# Altium PCB Copy of ToucanEyePCB.PcbDoc (part 1 of 3)
Units mil, origin at the board's own origin, x right, y up, seen from the top; angles counter-clockwise.
Board outline 2559.06 x 1377.95 mil, 6 copper layers (L1_Top Layer, L2_GND, L3_Signa1, L4_PWR/Signal2, L5_GND, L6_Bottom Layer), stack 35.685 mil thick; 192 components, 185 nets, 792 pads, 218 vias.
Unrouted connection lines stored in the file: 453.
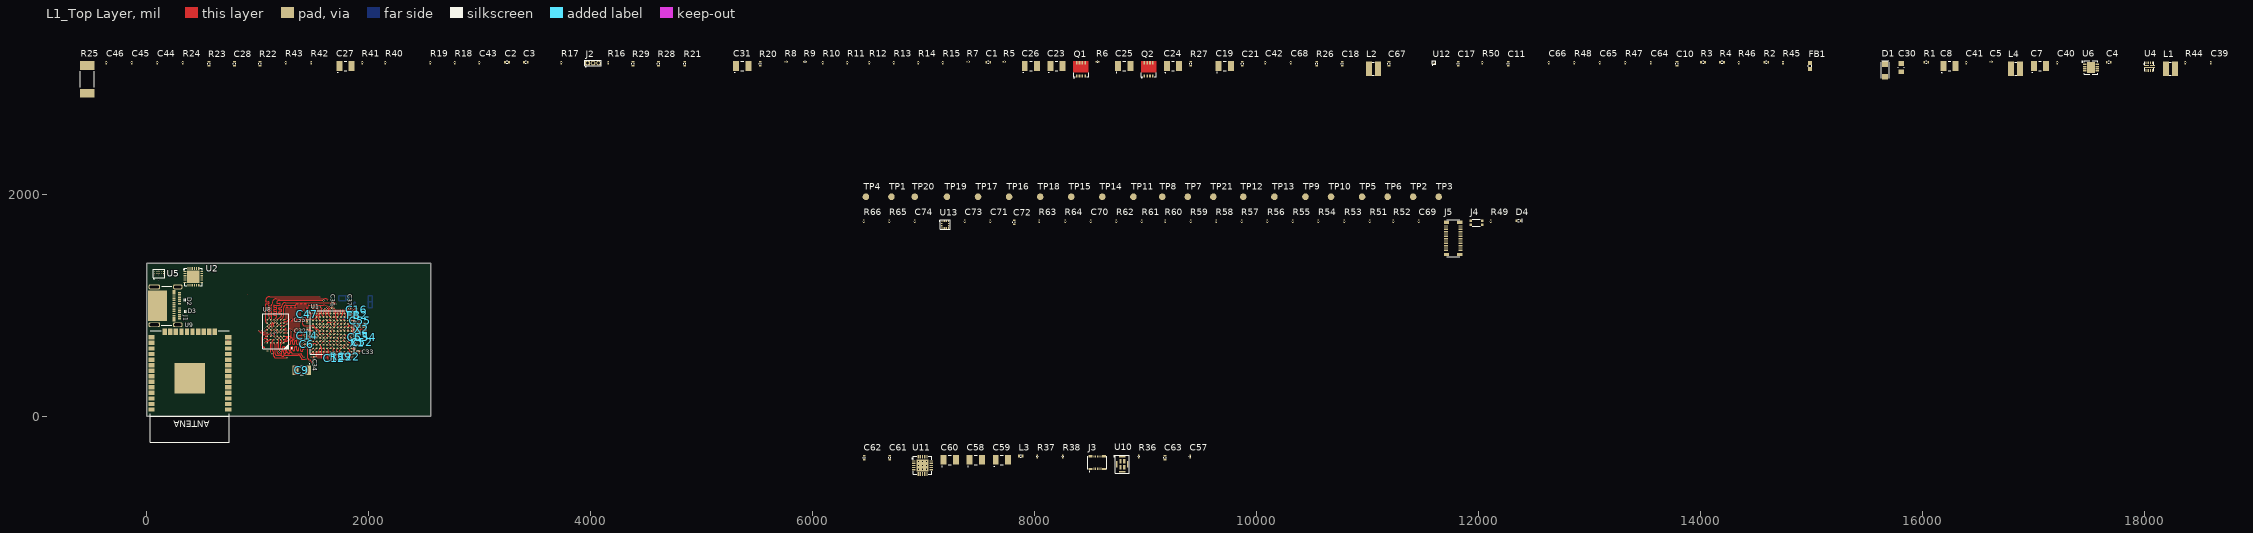
[diagram p0: L1_Top Layer view]
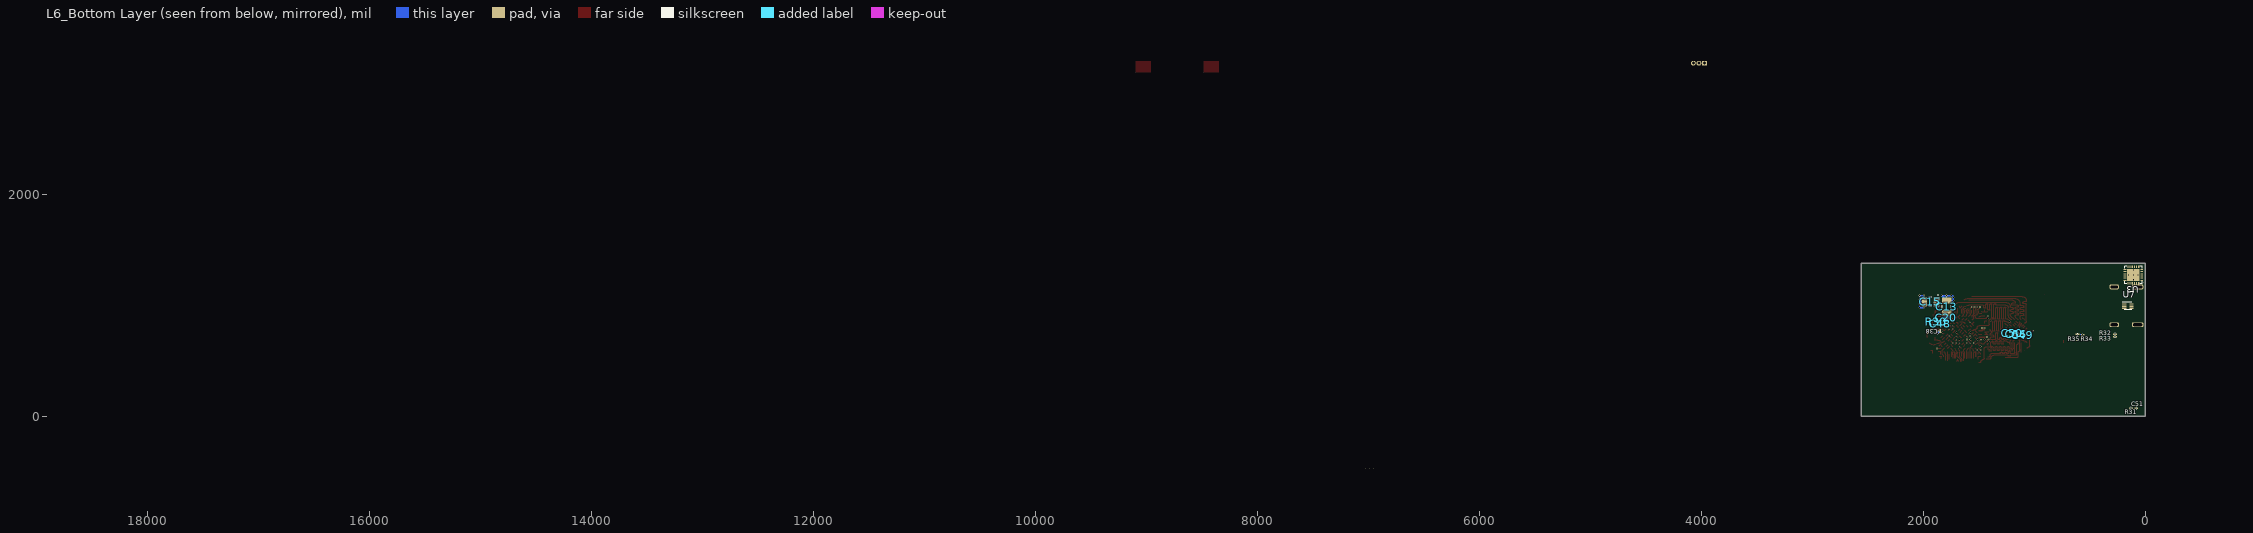
[diagram p1: L6_Bottom Layer view, seen from below]
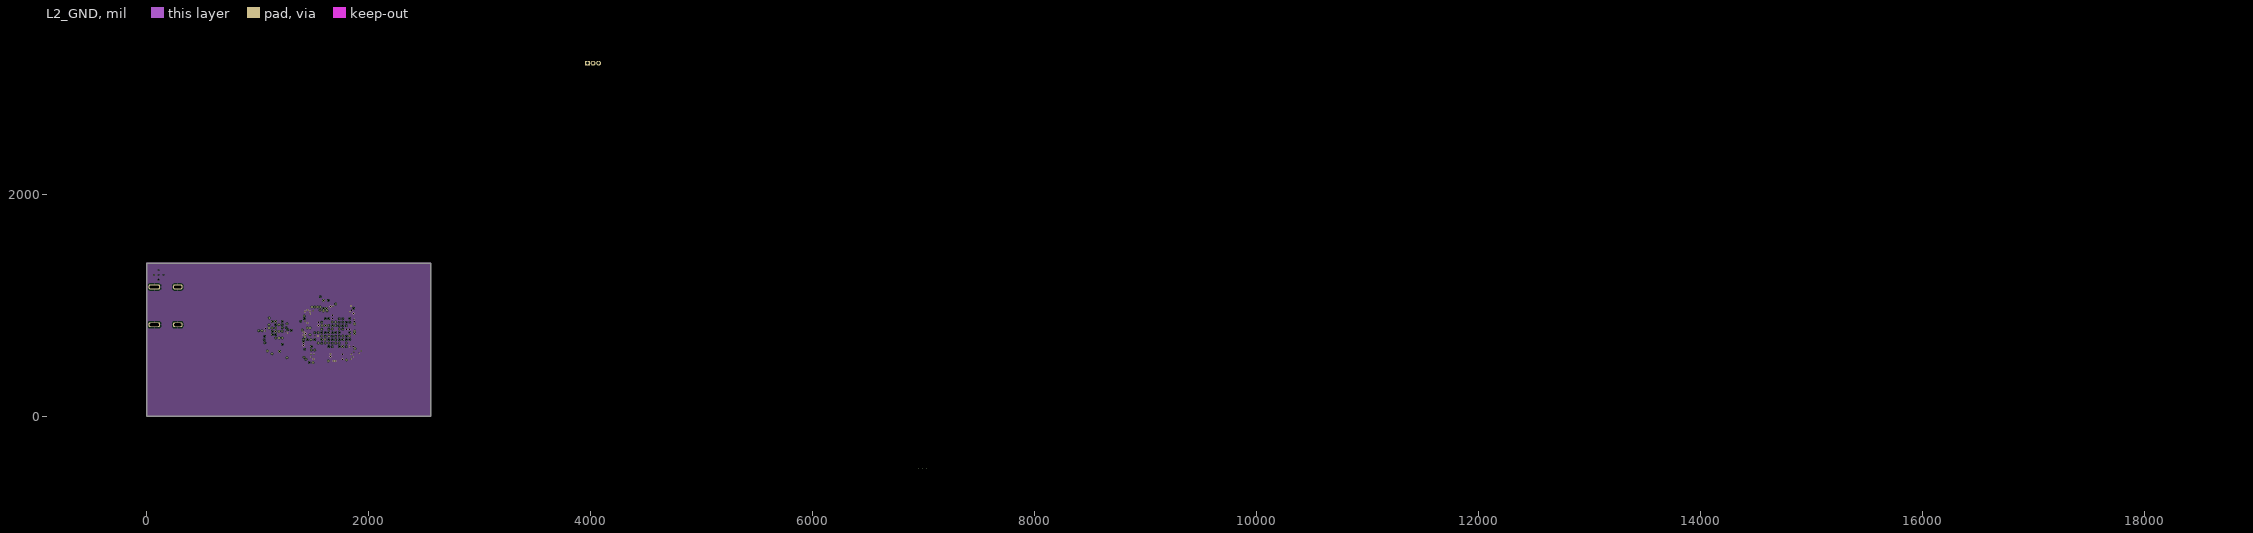
[diagram p2: L2_GND]
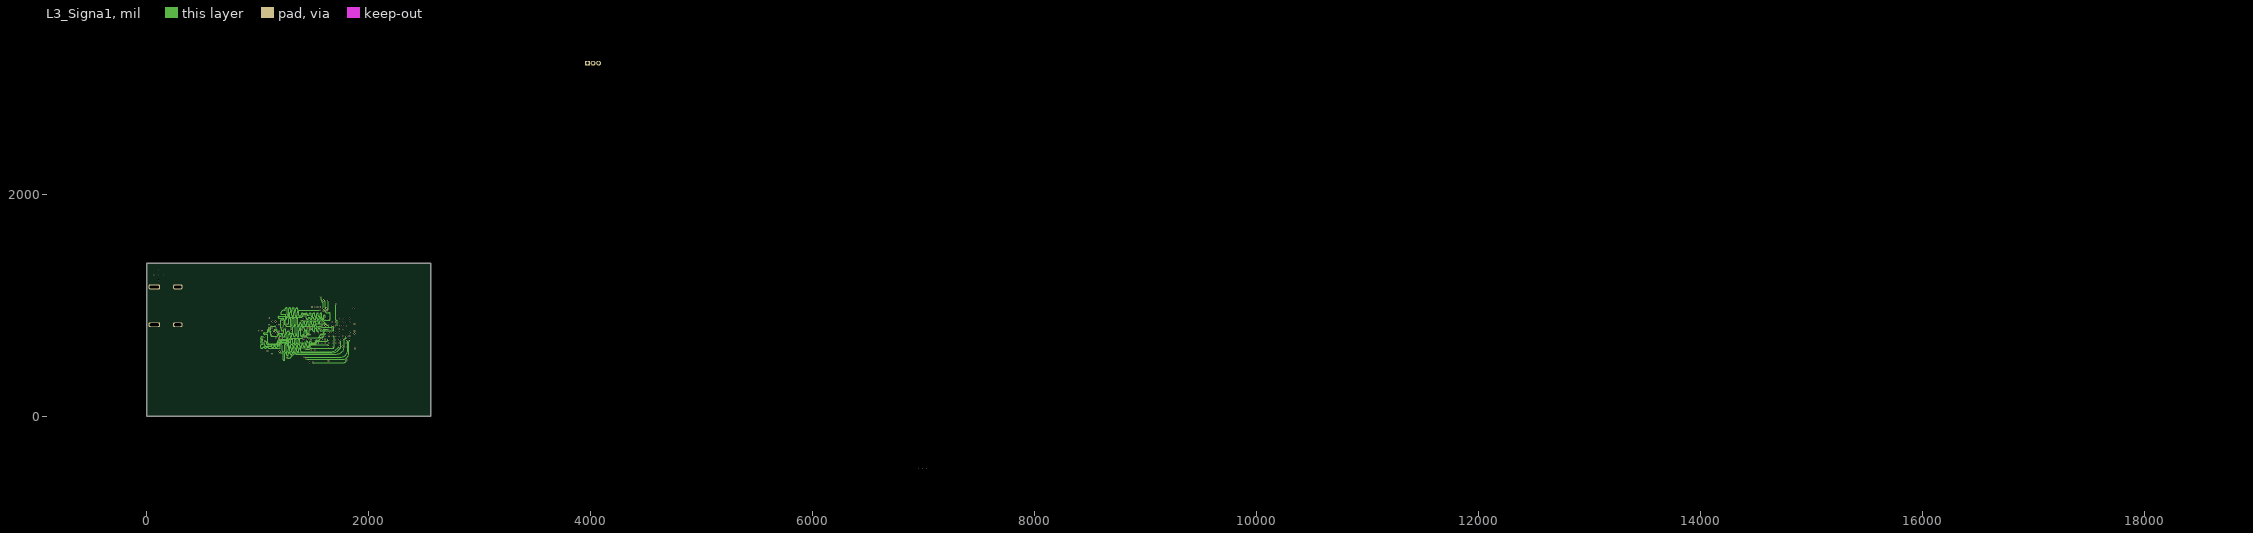
[diagram p3: L3_Signa1]
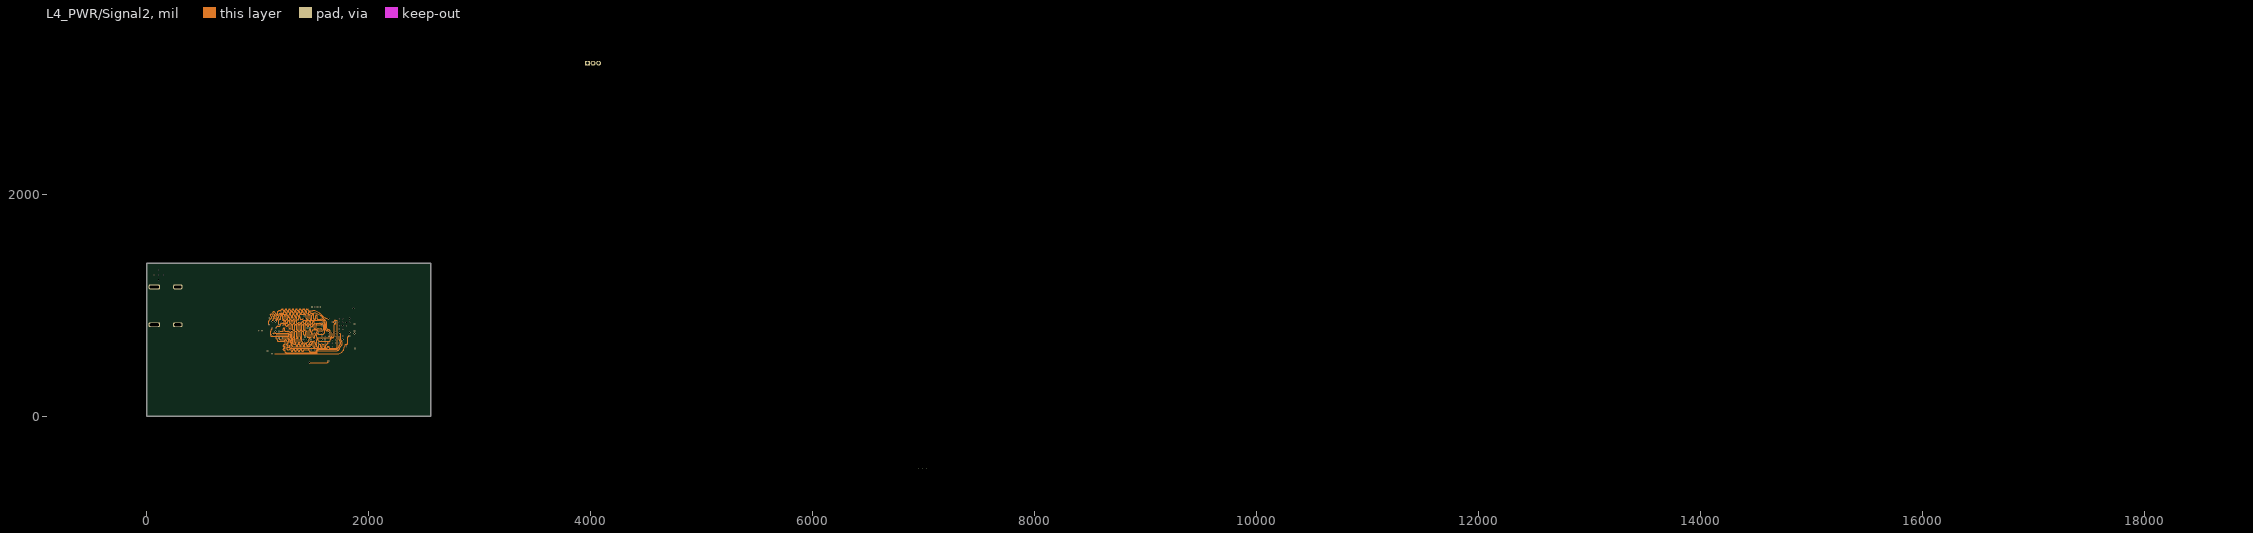
[diagram p4: L4_PWR/Signal2]
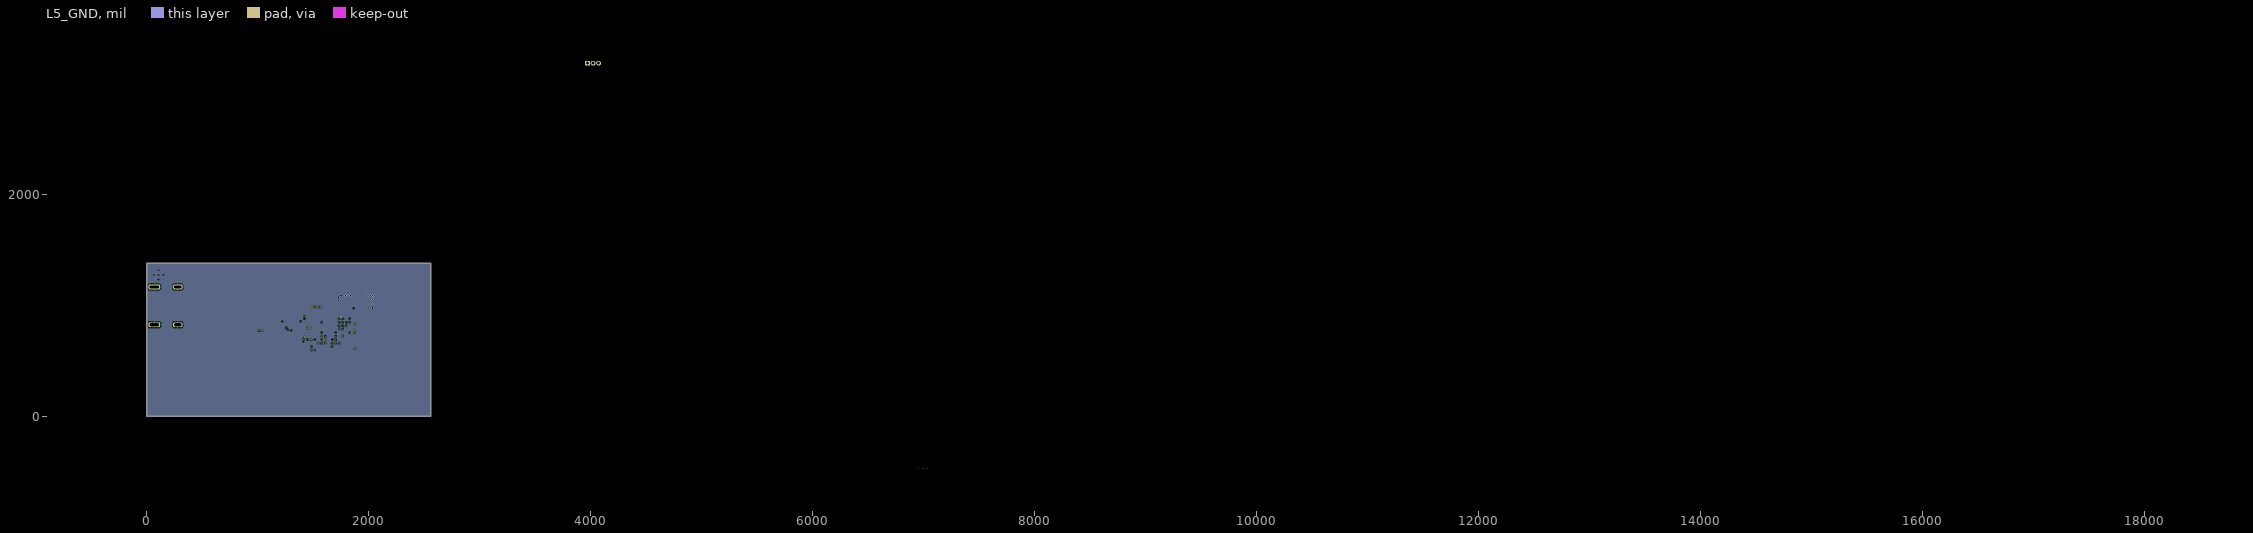
[diagram p5: L5_GND]

## Layer stack, top to bottom
Top Solder: solder mask 0.4, Solder Resist, Dk 3.5
L1_Top Layer: signal copper 0.4724
Dielectric 1: core 5.8425, FR-4, Dk 4.2
L2_GND: signal copper 0.4724
Dielectric 3: prepreg 7.7559, Dk 4.2
L3_Signa1: signal copper 0.4724
Dielectric 4: core 5.6535, Dk 4.2
L4_PWR/Signal2: signal copper 0.4724
Dielectric 5: prepreg 7.7559, Dk 4.2
L5_GND: signal copper 0.4724
Dielectric 2: core 5.8425, Dk 4.2
L6_Bottom Layer: signal copper 0.4724
Bottom Solder: solder mask 0.4, Solder Resist, Dk 3.5

## Board outline
0,0 0,1377.95 2559.06,1377.95 2559.06,0

## Design rules (kind name [scope] priority, off if disabled: settings)
Clearance ClearanceAll [All] p1: gap=3 ignorepadtopadclearanceinfootprint=FALSE
DiffPairsRouting [All] p1: maxlimit=10 minlimit=4 mostfreqgap=10 toplayer_prefgap=4 toplayer_minwidth=3 toplayer_maxwidth=15 toplayer_prefwidth=15 midlayer1_mingap=10 midlayer1_minwidth=15 midlayer1_maxwidth=15 midlayer1_prefwidth=15 midlayer2_mingap=10 midlayer2_minwidth=15 midlayer2_maxwidth=15 midlayer2_prefwidth=15 midlayer3_mingap=10 midlayer3_minwidth=15 midlayer3_maxwidth=15 midlayer3_prefwidth=15 midlayer4_mingap=10 midlayer4_minwidth=15 midlayer4_maxwidth=15 midlayer4_prefwidth=15 bottomlayer_prefgap=4 bottomlayer_minwidth=3 bottomlayer_maxwidth=15 bottomlayer_prefwidth=15 maxuncoupledlength=500
FanoutControl Fanout_BGA [IsBGA] p1: bgadir=Out bgaviamode=Centered fanoutstyle=BGA fanoutdirection=Alternating viagrid=1 // Fanout_BGA (Default Rule)
HoleSize [All] p1: absolutevalues=TRUE maxlimit=59.06 minlimit=5.91 maxpercent=80.000 minpercent=20.000
HoleToHoleClearance [All] p1: gap=8 allowstackedmicrovias=TRUE
Length PSRAM_ADDRESS_Length [InNetClass('PSRAM_ADDRESS')] p1: maxlimit=1010.5 minlimit=1009
Length PSRAM_DATA_Length [InNetClass('PSRAM_DATA')] p2: maxlimit=1010.5 minlimit=1009
MaxMinImpedance PSRAM_Impedance [(InNetClass('PSRAM_ADDRESS') AND InNetClass('PSRAM_DATA'))] p1: minimum=45,00 maximum=55,00
MinimumAnnularRing MinimumAnnularRing_Via [IsVia] p1: minimumring=4
MinimumSolderMaskSliver [All] p1: minsoldermaskwidth=2
PlaneConnect [All] p1: planeconnectstyle=Relief reliefexpansion=20 reliefentries=4 reliefconductorwidth=12 reliefairgap=8
PolygonConnect PolygonConnect_VDD [All] p1: thpad.connectstyle=Relief thpad.reliefconductorwidth=10 thpad.reliefentries=4 thpad.polygonreliefangle="90 Angle" thpad.airgapwidth=10 smdpad.connectstyle=Direct smdpad.reliefconductorwidth=10 smdpad.reliefentries=4 smdpad.polygonreliefangle="90 Angle" smdpad.airgapwidth=10 via.connectstyle=Direct via.reliefconductorwidth=10 via.reliefentries=4 via.polygonreliefangle="90 Angle" via.airgapwidth=10
PolygonConnect [All] p2: connectstyle=Relief reliefconductorwidth=10 reliefentries=4 polygonreliefangle="90 Angle" airgapwidth=4
RoomDefinition TestPoints [InComponentClass('TestPoints')] p1: confinementstyle=ConfineIn formatcopy=TRUE lockcomponents=FALSE outline 6440,1935 11795,1935 11795,2115 6440,2115
RoomDefinition SWITCH [InComponentClass('SWITCH')] p2: confinementstyle=ConfineIn formatcopy=TRUE lockcomponents=FALSE outline 6440,1415 12455,1415 12455,1885 6440,1885
RoomDefinition AUDIO [InComponentClass('AUDIO')] p3: confinementstyle=ConfineIn formatcopy=TRUE lockcomponents=FALSE outline 6440,-555 9575,-555 9575,-235 6440,-235
RoutingVias [All] p1: holewidth=5.91 width=14 viastyle="Through Hole" minholewidth=5.91 minwidth=14 maxholewidth=59.06 maxwidth=67
SilkToSilkClearance [All] p1: silktosilkclearance=4
SolderMaskExpansion [All] p1: expansion=2
Width [All] p1: maxlimit=50 minlimit=3 preferedwidth=10 minimp=50.000000 maximp=50.000000 favimp=50.000000
23 further rules are at their usual default settings.

## Classes and differential pairs
net class PSRAM_DATA: PSRAM_D0 PSRAM_D1 PSRAM_D2 PSRAM_D3 PSRAM_D4 PSRAM_D5 PSRAM_D6 PSRAM_D7 PSRAM_D8 PSRAM_D9 PSRAM_D10 PSRAM_D11 PSRAM_D12 PSRAM_D13 PSRAM_D14 PSRAM_D15
net class PSRAM_ADDRESS: PSRAM_A0 PSRAM_A1 PSRAM_A2 PSRAM_A3 PSRAM_A4 PSRAM_A5 PSRAM_A6 PSRAM_A7 PSRAM_A8 PSRAM_A9 PSRAM_A10 PSRAM_A11 PSRAM_A12 PSRAM_A13 PSRAM_A14 PSRAM_A15 PSRAM_A16 PSRAM_A17 PSRAM_A18 PSRAM_A19 PSRAM_A20 PSRAM_A21 PSRAM_NBL0 PSRAM_NBL1 PSRAM_NE1 PSRAM_NOE PSRAM_NWE PSRAM_ZZ
component class WROOM32: C51 R31 R32 R33 R34 R35 U9
component class TestPoints: TP1 TP2 TP3 TP4 TP5 TP6 TP7 TP8 TP9 TP10 TP11 TP12 TP13 TP14 TP15 TP16 TP17 TP18 TP19 TP20 TP21
component class SWITCH: C69 C70 C71 C72 C73 C74 D4 J4 J5 R49 R51 R52 R53 R54 R55 R56 R57 R58 R59 R60 R61 R62 R63 R64 R65 R66 U13
component class PSRAM: C49 C50 C56 U8
component class DC: C1 C2 C3 C4 C5 C7 C8 C10 C11 C17 C18 C19 C21 C23 C24 C25 C26 C27 C28 C30 C31 C39 C40 C41 C42 C43 C44 C45 C46 C64 C65 C66 C67 C68 D1 D2 D3 FB1 J1 J2 L1 L2 L4 Q1 Q2 R1 R2 R3 R4 R5 R6 R7 R8 R9 R10 R11 R12 R13 R14 R15 R16 R17 R18 R19 R20 R21 R22 R23 R24 R25 R26 R27 R28 R29 R40 R41 R42 R43 R44 R45 R46 R47 R48 R50 U2 U3 U4 U5 U6 U7 U12
component class CPU: C6 C9 C12 C13 C14 C15 C16 C20 C22 C32 C33 C34 C35 C36 C37 C38 C47 C48 C52 C53 C54 C55 FB2 R30 R39 U1 X1 X2
component class AUDIO: C57 C58 C59 C60 C61 C62 C63 J3 L3 R36 R37 R38 U10 U11
differential pair DUSB: +DUSB_P -DUSB_N
differential pair DUSB_MCU: +DUSB_MCU_P -DUSB_MCU_N

## Components (designator, comment, footprint, x,y, rotation, side; value= is the part's Value field where it differs from the comment)
C1 "C0402_1uF_TMK105BJ105MV-F" C_0402 7581.87,3188.59 r0 top
C2 "C0402_1uF_TMK105BJ105MV-F" C_0402 3246.87,3188.59 r0 top
C3 "C0402_1uF_TMK105BJ105MV-F" C_0402 3416.87,3188.59 r0 top
C4 "C0402_10u_GRM155C80J106ME11D" C_0402 17676.87,3188.59 r0 top
C5 "C0201_100n_GRM033R6YA104KE14D" C_0201 16616.87,3193.59 r0 top
C6 "C0201_100n_GRM033R6YA104KE14D" C_0201 1441.1,645.2 r180 top
C7 "C_22u_TANTAL_A_T491A226K006AT" C_3216 17056.87,3153.59 r0 top
C8 "C_10u_TANTAL_A_T491A106K010AT7280" C_3216 16241.87,3153.59 r0 top
C9 "C_4.7u_TANTAL_A_TAJA475K016UNJ" C_3216 1398.1,411.6 r180 top
C10 "C0402_10n_C0402C103K4PACTU" C_0402 13786.87,3173.59 r90 top
C11 "C0402_1uF_TMK105BJ105MV-F" C_0402 12266.87,3173.59 r90 top
C12 "C0201_100n_GRM033R6YA104KE14D" C_0201 1692.6,521.1 r270 top
C13 "C_1u_TANTAL_A_293D105X0025A2TE3" C_3216 1790.3,985.3 r90 bottom
C14 "C0201_100n_GRM033R6YA104KE14D" C_0201 1449.1,721.9 r90 top
C15 "C_1u_TANTAL_A_293D105X0025A2TE3" C_3216 1936.7,1030 r0 bottom
C16 "C0201_10n_CGA1A2X7R1A103K030BA" C_0201 1891.1,958.6 r90 top
C17 "C0402_2.2u_GRT155R61E225KE13D" C_0402 11816.87,3173.59 r90 top
C18 "C0402_33n_GCM155R71E333KA55D" C_0402 10771.87,3173.59 r90 top
C19 "C_22u_TANTAL_A_T491A226K006AT" C_3216 9711.87,3153.59 r0 top
C20 "C0201_100n_GRM033R6YA104KE14D" C_0201 1794.6,887.2 r180 bottom
C21 "C0402_1uF_TMK105BJ105MV-F" C_0402 9871.87,3173.59 r90 top
C22 "C0201_100n_GRM033R6YA104KE14D" C_0201 1827.6,532.8 r180 top
C23 "C_1u_TANTAL_A_293D105X0025A2TE3" C_3216 8196.87,3153.59 r0 top
C24 "C_1u_TANTAL_A_293D105X0025A2TE3" C_3216 9246.87,3153.59 r0 top
C25 "C_22u_TANTAL_A_T491A226K006AT" C_3216 8806.87,3153.59 r0 top
C26 "C_1u_TANTAL_A_293D105X0025A2TE3" C_3216 7966.87,3153.59 r0 top
C27 "C_1u_TANTAL_A_293D105X0025A2TE3" C_3216 1791.87,3153.59 r0 top
C28 "C0402_33n_GCM155R71E333KA55D" C_0402 791.87,3173.59 r90 top
C30 "C0805_15u_C2012X5R1V156M125AC" C_0805 15806.87,3138.59 r90 top
C31 "C_1u_TANTAL_A_293D105X0025A2TE3" C_3216 5366.87,3153.59 r0 top
C32 "C0201_100n_GRM033R6YA104KE14D" C_0201 1449.1,765.3 r90 top
C33 "C0201_100n_GRM033R6YA104KE14D" C_0201 1904.2,585.5 r180 top
C34 "C0201_100n_GRM033R6YA104KE14D" C_0201 1515.8,532.8 r0 top
C35 "C0201_100n_GRM033R6YA104KE14D" C_0201 1448.5,865.4 r90 top
C36 "C0201_100n_GRM033R6YA104KE14D" C_0201 1677.9,970.4 r0 top
C37 "C0201_100n_GRM033R6YA104KE14D" C_0201 1829.5,970.8 r180 top
C38 "C0201_100n_GRM033R6YA104KE14D" C_0201 1849.6,765.3 r270 bottom
C39 "C0201_100n_GRM033R6YA104KE14D" C_0201 18596.87,3183.59 r90 top
C40 "C0201_100n_GRM033R6YA104KE14D" C_0201 17211.87,3183.59 r90 top
C41 "C0201_100n_GRM033R6YA104KE14D" C_0201 16391.87,3183.59 r90 top
C42 "C0201_100n_GRM033R6YA104KE14D" C_0201 10076.87,3183.59 r90 top
C43 "C0201_100n_GRM033R6YA104KE14D" C_0201 2996.87,3183.59 r90 top
C44 "C0201_100n_GRM033R6YA104KE14D" C_0201 96.87,3183.59 r90 top
C45 "C0201_100n_GRM033R6YA104KE14D" C_0201 -133.13,3183.59 r90 top
C46 "C0201_100n_GRM033R6YA104KE14D" C_0201 -363.13,3183.59 r90 top
C47 "C0402_2.2u_GRT155R61E225KE13D" C_0402 1449.1,918.1 r270 top
C48 "C0201_100n_GRM033R6YA104KE14D" C_0201 1849.4,831 r90 bottom
C49 "C0201_100n_GRM033R6YA104KE14D" C_0201 1103.1,726.8 r90 bottom
C50 "C0201_100n_GRM033R6YA104KE14D" C_0201 1197.5,745.67 r90 bottom
C51 "C0201_100n_GRM033R6YA104KE14D" C_0201 81.3,70.3 r0 bottom
C52 "C0201_5.6pF_GRM0335C1H5R6BA01D" C_0201 1942.1,665 r270 top
C53 "C0201_5.6pF_GRM0335C1H5R6BA01D" C_0201 1905.4,708.8 r0 top
C54 "C0201_6.8pF_GJM0335C1E6R8CB01D" C_0201 1973.7,708.6 r0 top
C55 "C0201_6.8pF_GJM0335C1E6R8CB01D" C_0201 1925,857.2 r180 top
C56 "C0402_10u_GRM155C80J106ME11D" C_0402 1162,734.5 r180 bottom
C57 "C0201_100n_GRM033R6YA104KE14D" C_0201 9400,-365 r90 top
C58 "C_22u_TANTAL_A_T491A226K006AT" C_3216 7470,-395 r0 top
C59 "C_1u_TANTAL_A_293D105X0025A2TE3" C_3216 7705,-395 r0 top
C60 "C_10u_TANTAL_A_T491A106K010AT7280" C_3216 7235,-395 r0 top
C61 "C0402_1uF_TMK105BJ105MV-F" C_0402 6695,-375 r90 top
C62 "C0402_1uF_TMK105BJ105MV-F" C_0402 6465,-375 r90 top
C63 "C0402_10u_GRM155C80J106ME11D" C_0402 9175,-375 r90 top
C64 "C0201_2.7n_GRM033R71A272KA01D" C_0201 13551.87,3183.59 r90 top
C65 "C0201_1n_GRM033R71H102KA12D" C_0201 13091.87,3183.59 r90 top
C66 "C0201_22n_02016D223KAT2A" C_0201 12631.87,3183.59 r90 top
C67 "C0402_1uF_TMK105BJ105MV-F" C_0402 11191.87,3173.59 r90 top
C68 "C0201_100n_GRM033R6YA104KE14D" C_0201 10306.87,3183.59 r90 top
C69 "C0201_100n_GRM033R6YA104KE14D" C_0201 11460,1755 r90 top
C70 "C0201_100n_GRM033R6YA104KE14D" C_0201 8505,1755 r90 top
C71 "C0201_100n_GRM033R6YA104KE14D" C_0201 7600,1755 r90 top
C72 "C0402_10n_C0402C103K4PACTU" C_0402 7815,1745 r90 top
C73 "C0201_100n_GRM033R6YA104KE14D" C_0201 7370,1755 r90 top
C74 "C0201_100n_GRM033R6YA104KE14D" C_0201 6920,1755 r90 top
D1 "STPS1L40ZF" SOD123 15661.87,3113.59 r90 top
D2 "ESDALC5-1BF4" DFN35P60X32-2N 346.1,1046.5 r270 top
D3 "ESDALC5-1BF4" DFN35P60X32-2N 351.2,940.35 r90 top
D4 "SM0402PGC" LED0402 12360,1760 r0 top
FB1 "BLM18PG-121SN1D" L_0603 14986.87,3153.59 r90 top
FB2 "BLM15AG121SN1D" L_0402 1896.6,908.9 r270 top locked
J1 "105450-0101" "USB TYPE C (MOLEX)" 148.7,992.6 r270 top
J2 "Goldpin 3x1.27mm NDI" "HEADER 3x1.27mm" 3971.87,3178.59 r0 top net-tie
J3 "BM10NB(0.6)-10DS-0.4V(51)" BM10NB(0.6)-10DS-0.4V(51) 8565,-420 r0 top
J4 "EVP-BB2A9B000" CON_EVP-BB2A9B000 11980,1740 r0 top
J5 "AXT530124" AXT530124 11770,1600 r90 top
L1 "L_1u_3x3_74438334010" L_3x3 18231.87,3128.59 r0 top
L2 "l_1U_3X3_74438336010" L_3x3 11051.87,3128.59 r0 top
L3 "744765062A" L_0402 7875,-360 r0 top
L4 "L_15uH_3x3_74438335150" L_3x3 16836.87,3128.59 r0 top
Q1 "STL9P3LLH6" PowerFLAT 8416.87,3123.59 r0 top
Q2 "STL9P3LLH6" PowerFLAT 9026.87,3123.59 r0 top
R1 "R0402_50k_CRCW040250K0FKED" R_0402 16031.87,3188.59 r0 top
R2 "R0402_20k_ERJ-2RKF2002X" R_0402 14591.87,3188.59 r0 top
R3 "R0402_100k_ERJ-2RKF1003X" R_0402 14021.87,3188.59 r0 top
R4 "R0402_0ohm_RC0402FR-070RL" R_0402 14191.87,3188.59 r0 top
R5 "R0201_10k_ERJ-1GNF1002C" R_0201 7726.87,3193.59 r0 top
R6 "R0201_10k_ERJ-1GNF1002C" R_0201 8566.87,3193.59 r0 top
R7 "R0201_1k_ERJ-1GNF1001C" R_0201 7401.87,3193.59 r0 top
R8 "R0201_10k_ERJ-1GNF1002C" R_0201 5761.87,3193.59 r0 top
R9 "R0201_10k_ERJ-1GNF1002C" R_0201 5931.87,3193.59 r0 top
R10 "R0201_10k_ERJ-1GNF1002C" R_0201 6091.87,3183.59 r90 top
R11 "R0201_10k_ERJ-1GNF1002C" R_0201 6311.87,3183.59 r90 top
R12 "R0201_10k_ERJ-1GNF1002C" R_0201 6511.87,3183.59 r90 top
R13 "R0201_10k_ERJ-1GNF1002C" R_0201 6731.87,3183.59 r90 top
R14 "R0201_10k_ERJ-1GNF1002C" R_0201 6951.87,3183.59 r90 top
R15 "R0201_10k_ERJ-1GNF1002C" R_0201 7171.87,3183.59 r90 top
R16 "R0201_0_ERJ-1GN0R00C" R_0201 4156.87,3183.59 r90 top
R17 "R0201_0_ERJ-1GN0R00C" R_0201 3736.87,3183.59 r90 top
R18 "R0201_1k_ERJ-1GNF1001C" R_0201 2776.87,3183.59 r90 top
R19 "R0201_1k_ERJ-1GNF1001C" R_0201 2556.87,3183.59 r90 top
R20 "R0402_100k_ERJ-2RKF1003X" R_0402 5526.87,3173.59 r90 top
R21 "R0402_100k_ERJ-2RKF1003X" R_0402 4846.87,3173.59 r90 top
R22 "R0402_1.8Mohm_ERJ-2GEJ185X" R_0402 1021.87,3173.59 r90 top
R23 "R0402_18.2k_ERJ-2RKF1822X" R_0402 561.87,3173.59 r90 top
R24 "R0201_1k_ERJ-1GNF1001C" R_0201 326.87,3183.59 r90 top
R25 "R2512_10m_WW25RR010FTL" R2512 -533.13,3033.59 r90 top
R26 "R0402_274k_ERJ-2RKF2743X" R_0402 10541.87,3173.59 r90 top
R27 "R0402_100k_ERJ-2RKF1003X" R_0402 9406.87,3173.59 r90 top
R28 "R0402_124OHM_ERJ-2RKF1240X" R_0402 4611.87,3173.59 r90 top
R29 "R0402_0ohm_RC0402FR-070RL" R_0402 4381.87,3173.59 r90 top
R30 "R0201_10k_ERJ-1GNF1002C" R_0201 1882.9,851.1 r0 bottom
R31 "R0201_10k_ERJ-1GNF1002C" R_0201 130.7,71.4 r0 bottom
R32 "(NDI)0201" R_0201_NF 274.9,737 r180 bottom value=R
R33 "(NDI)0201" R_0201_NF 274.7,714.9 r0 bottom value=R
R34 "R0201_0_ERJ-1GN0R00C" R_0201 565.6,734.1 r180 bottom
R35 "R0201_0_ERJ-1GN0R00C" R_0201 611.8,734.7 r180 bottom
R36 "R0201_10k_ERJ-1GNF1002C" R_0201 8940,-365 r90 top
R37 "R0201_88.7k_ERJ-1GNF8872C" R_0201 8025,-365 r90 top
R38 "R0201_453k_RC0201FR-07453KL" R_0201 8255,-365 r90 top
R39 "R0201_100k_CRCW0201100KJN-ED" R_0201 1755.4,532.8 r180 top
R40 "R0201_10k_ERJ-1GNF1002C" R_0201 2151.87,3183.59 r90 top
R41 "R0201_10k_ERJ-1GNF1002C" R_0201 1941.87,3183.59 r90 top
R42 "R0201_10k_ERJ-1GNF1002C" R_0201 1481.87,3183.59 r90 top
R43 "R0201_10k_ERJ-1GNF1002C" R_0201 1251.87,3183.59 r90 top
R44 "(NDI)0201" R_0201_NF 18366.87,3183.59 r90 top value=R
R45 "R0201_4.53k_ERJ-1GNF4531C" R_0201 14741.87,3183.59 r90 top
R46 "R0201_1k_ERJ-1GNF1001C" R_0201 14341.87,3183.59 r90 top
R47 "R0201_470R_ERJ-1GNF4700C" R_0201 13321.87,3183.59 r90 top
R48 "R0201_1k_ERJ-1GNF1001C" R_0201 12861.87,3183.59 r90 top
R49 "R0201_100R_ERJ-1GNF1000C" R_0201 12110,1755 r90 top
R50 "R0201_100k_CRCW0201100KJN-ED" R_0201 12031.87,3183.59 r90 top
R51 "R0201_22R_ERJ-1GNF22R0C" R_0201 11020,1755 r90 top
R52 "R0201_22R_ERJ-1GNF22R0C" R_0201 11230,1755 r90 top
R53 "R0201_22R_ERJ-1GNF22R0C" R_0201 10790,1755 r90 top
R54 "R0201_22R_ERJ-1GNF22R0C" R_0201 10555,1755 r90 top
R55 "R0201_22R_ERJ-1GNF22R0C" R_0201 10325,1755 r90 top
R56 "R0201_22R_ERJ-1GNF22R0C" R_0201 10095,1755 r90 top
R57 "R0201_22R_ERJ-1GNF22R0C" R_0201 9865,1755 r90 top
R58 "R0201_22R_ERJ-1GNF22R0C" R_0201 9635,1755 r90 top
R59 "R0201_22R_ERJ-1GNF22R0C" R_0201 9405,1755 r90 top
R60 "R0201_22R_ERJ-1GNF22R0C" R_0201 9175,1755 r90 top
R61 "R0201_22R_ERJ-1GNF22R0C" R_0201 8965,1755 r90 top
R62 "R0201_22R_ERJ-1GNF22R0C" R_0201 8735,1755 r90 top
R63 "R0201_22R_ERJ-1GNF22R0C" R_0201 8040,1755 r90 top
R64 "R0201_22R_ERJ-1GNF22R0C" R_0201 8275,1755 r90 top
R65 "(NDI)0201" R_0201_NF 6690,1755 r90 top value=R
R66 "R0201_0_ERJ-1GN0R00C" R_0201 6460,1755 r90 top
TP1 "Test_Point" TP 6710,1975 r0 top
TP2 "Test_Point" TP 11410,1975 r90 top
TP3 "Test_Point" TP 11640,1975 r90 top
TP4 "Test_Point" TP 6480,1975 r90 top
TP5 "Test_Point" TP 10950,1975 r90 top
TP6 "Test_Point" TP 11180,1975 r90 top
TP7 "Test_Point" TP 9380,1975 r90 top
TP8 "Test_Point" TP 9150,1975 r90 top
TP9 "Test_Point" TP 10440,1975 r90 top
TP10 "Test_Point" TP 10670,1975 r90 top
TP11 "Test_Point" TP 8890,1975 r90 top
TP12 "Test_Point" TP 9880,1975 r90 top
TP13 "Test_Point" TP 10160,1975 r90 top
TP14 "Test_Point" TP 8610,1975 r90 top
TP15 "Test_Point" TP 8330,1975 r90 top
TP16 "Test_Point" TP 7770,1975 r90 top
TP17 "Test_Point" TP 7490,1975 r90 top
TP18 "Test_Point" TP 8050,1975 r90 top
TP19 "Test_Point" TP 7210,1975 r90 top
TP20 "Test_Point" TP 6920,1975 r90 top